# KiCad board Tartarus Liquid Rocketry Control System.kicad_pcb (continued)
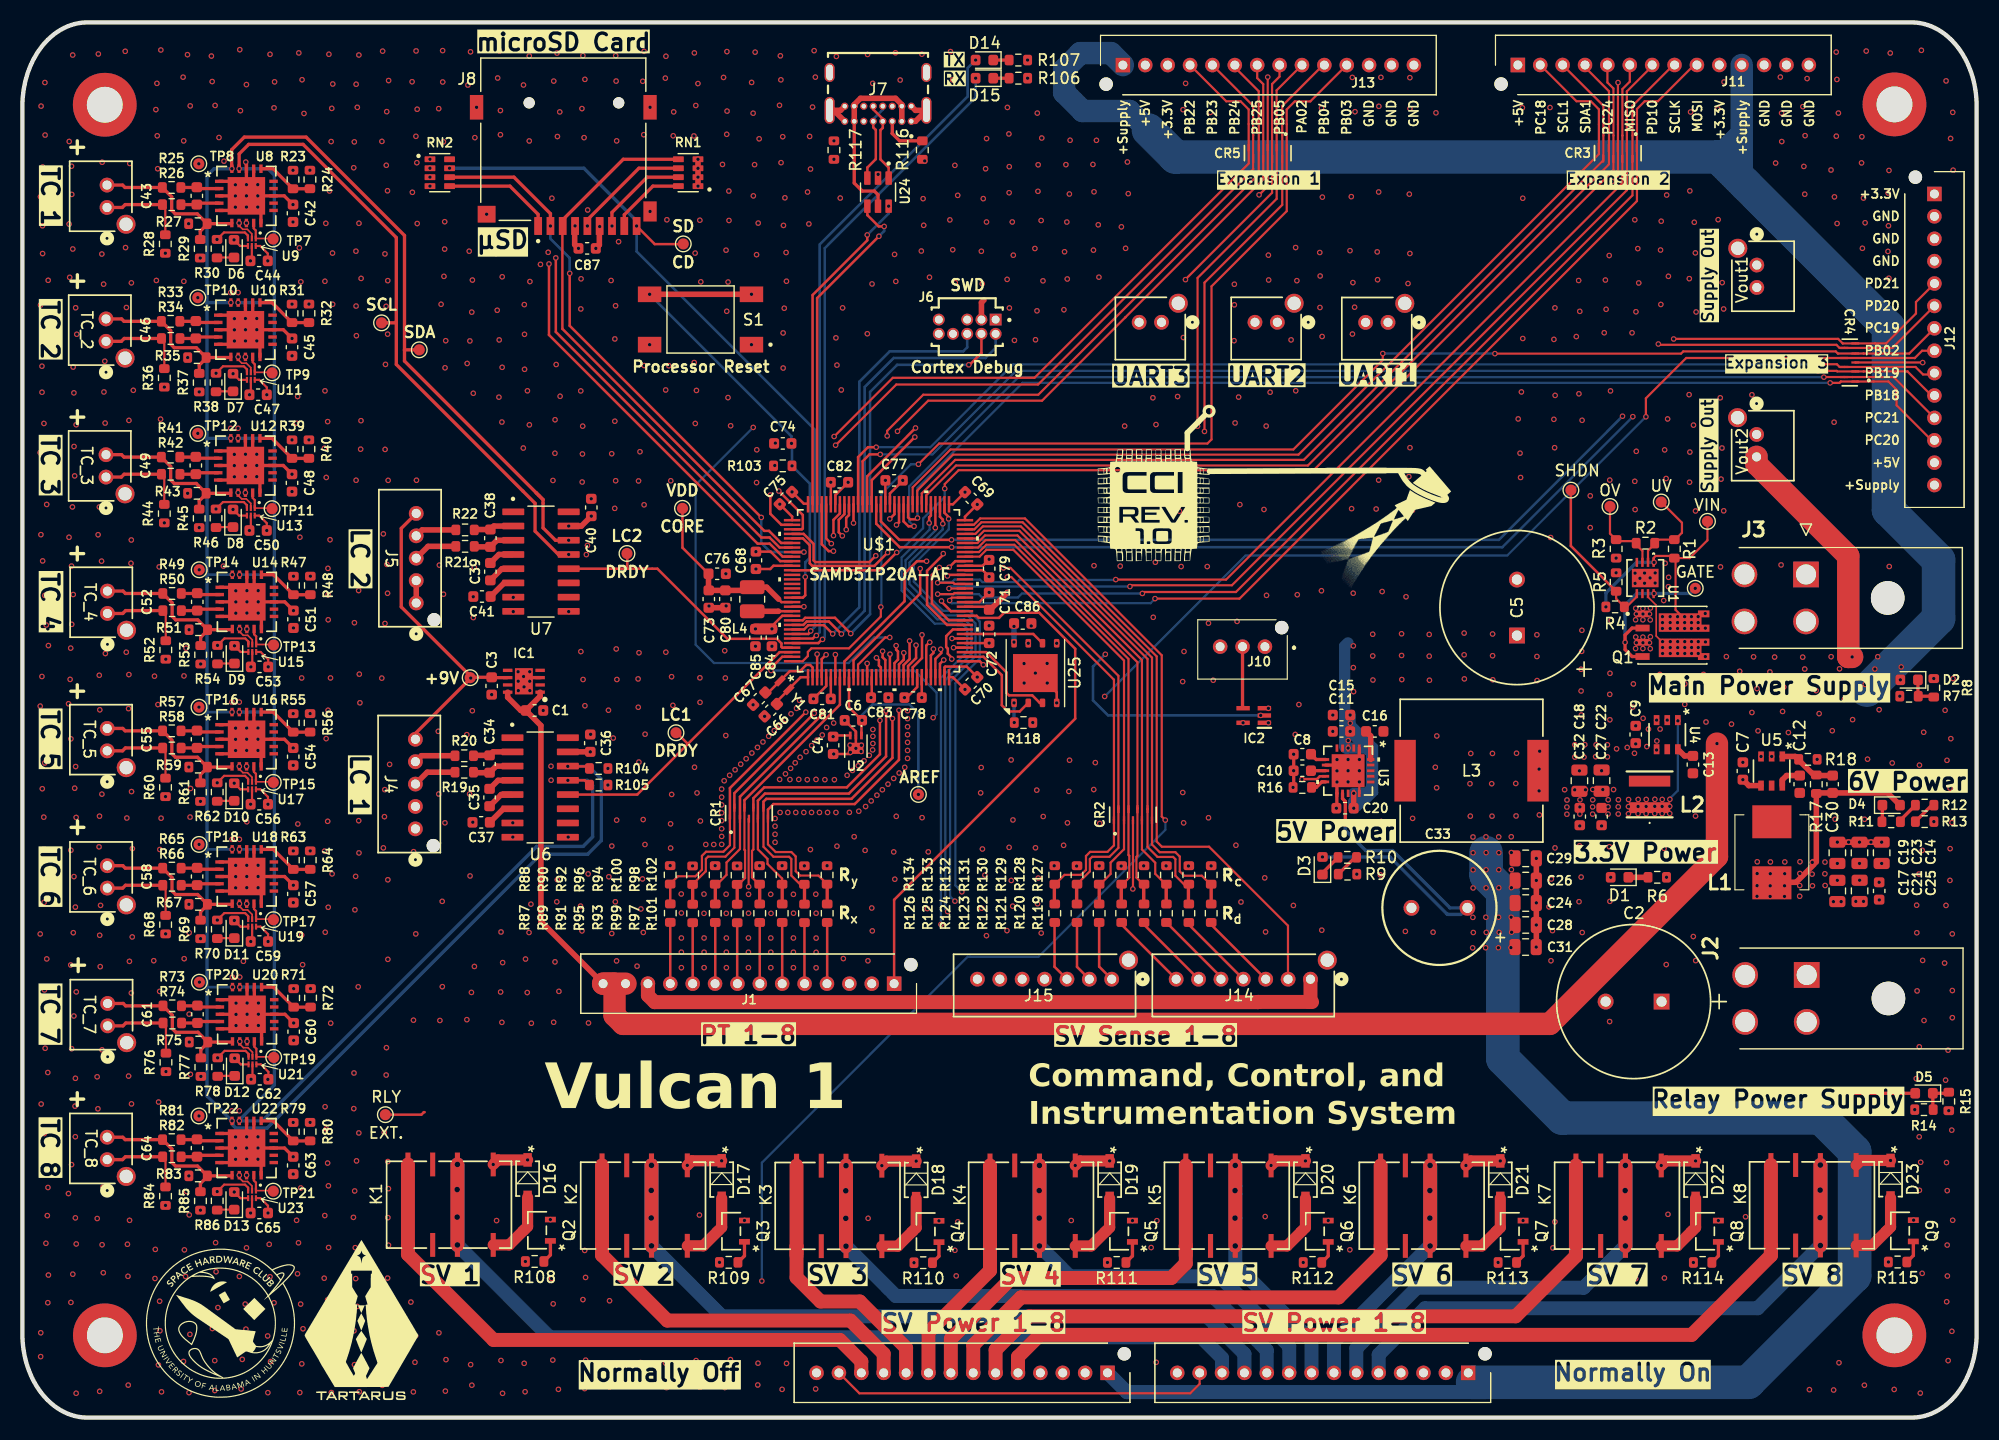
[diagram p0: board, top side]
## Library data of the parts
C1-C87 = -: Description: Unpolarized capacitor, small symbol; ki_fp_filters: C_*
CR1-CR5 = -: ki_fp_filters: uDFN-9_3p8x1p0_LTF
D1-D15 = -: Description: Light emitting diode; Sim.Pins: 1=K 2=A; ki_fp_filters: LED* LED_SMD:* LED_THT:*
D16-D23 = -: Description: Diode; Sim.Device: D; Sim.Pins: 1=K 2=A; ki_fp_filters: TO-???* *_Diode_* *SingleDiode* D_*
H1-H4 = -: Description: Mounting Hole without connection; ki_fp_filters: MountingHole*
IC1 = -: Datasheet: https://www.richtek.com/assets/product_file/RTQ2569-QA/DSQ2569-QA-02.pdf; Description: LDO Voltage Regulators 36V, 2A IQ, Peak 200mA, Low Dropout Voltage Linear Regulator; Height: 0.8; Mouser Part Number: 835-RTQ2569-90GQW-QA; Mouser Price/Stock: https://www.mouser.co.uk/ProductDetail/Richtek/RTQ2569-90GQW-QA?qs=amGC7iS6iy8%2FmxlEyuzLpA%3D%3D; Manufacturer_Name: RICHTEK
IC2 = -: Datasheet: http://www.ti.com/lit/gpn/sn74lv1t126; Description: Single Power Supply, Single BUFFER GATE w/ 3-State Output (active high enable); Description_1: Single Power Supply, Single BUFFER GATE w/ 3-State Output (active high enable); Height: 1.1; Mouser Part Number: 595-74LV1T126DCKRG4; Mouser Price/Stock: https://www.mouser.co.uk/ProductDetail/Texas-Instruments/SN74LV1T126DCKRG4?qs=qSfuJ%252Bfl%2Fd7XMpUR4BtXdA%3D%3D; Manufacturer_Name: Texas Instruments
J1 J11-J13 Relay_Normally_Closed1 Relay_Normally_Open1 = -: Datasheet: http://www.jst-mfg.com/product/pdf/eng/ePA-F.pdf; Description: JST Polyamide Series, 2mm Pitch 14 Way 1 Row Straight PCB Header, Solder Termination, 3A; Height: 7.7; Manufacturer_Name: JST (JAPAN SOLDERLESS TERMINALS); Manufacturer_Part_Number: B14B-PASK-1 (LF)(SN)
J2 J3 = -: ki_fp_filters: CONN2_2601-3102_WAG
J4 J5 = -: ki_fp_filters: CONN_B05B-PASK-1_JST
J6 = -: PARTREV: H; STANDARD: Manufacturer Recommendations; MANUFACTURER: Samtec
J7 = -: SNAPEDA_PN: USB4085-GF-A
J8 = -: MANUFACTURER: CUI Devices
J10 = -: Datasheet: http://www.jst-mfg.com/product/pdf/eng/ePA-F.pdf; Description: CONN HEADER PA 3POS TOP W/BOSS; Height: 7; Mouser Part Number: 306-B03BPASK1LFSN; Mouser Price/Stock: https://www.mouser.co.uk/ProductDetail/JST-Commercial/B03B-PASK-1LFSN?qs=QpmGXVUTftGMO7G00SnxEw%3D%3D; Manufacturer_Name: JST (JAPAN SOLDERLESS TERMINALS); Manufacturer_Part_Number: B03B-PASK-1(LF)(SN)
J14 J15 = -: ki_fp_filters: CONN_B07B-PASK-1_JST
K1-K8 = -: Datasheet: https://media.digikey.com/pdf/Data%20Sheets/Panasonic%20Electric%20Works%20PDFs/AGQ_(GQ)_Relays.pdf; Description: Low Signal Relays - PCB 2 Form C, 12VDC 30VDC SMD 12V; Height: 5.4; Mouser Part Number: 769-AGQ200A12Z; Mouser Price/Stock: https://www.mouser.co.uk/ProductDetail/Panasonic-Industrial-Devices/AGQ200A12Z?qs=UO%2Fx91QLkSBZmYPL%2F6hBBg%3D%3D; Manufacturer_Name: Panasonic; Manufacturer_Part_Number: AGQ200A12Z
L1-L4 = -: Description: Inductor; ki_fp_filters: Choke_* *Coil* Inductor_* L_*
Q1 = -: MF: Vishay; MAXIMUM_PACKAGE_HEIGHT: 1.12mm; Package: SO-8 Vishay; Price: None; Check_prices: https://www.snapeda.com/parts/SI7942DP-T1-E3/Vishay+Siliconix/view-part/?ref=eda; STANDARD: Manufacturer Recommendations; PARTREV: C; SnapEDA_Link: https://www.snapeda.com/parts/SI7942DP-T1-E3/Vishay+Siliconix/view-part/?ref=snap; MP: SI7942DP-T1-E3; Description_1: Mosfet Array 2 N-Channel (Dual) 100V 3.8A 1.4W Surface Mount PowerPAK® SO-8 Dual; Availability: In Stock; MANUFACTURER: Vishay
Q2-Q9 = -: Datasheet: https://www.diodes.com/assets/Datasheets/ds30896.pdf; Description: 0.38A Id, 60V Vds, N-Channel MOSFET, SOT-23; ki_fp_filters: SOT?23*
R1-R86 R103-R118 = -: Description: Resistor, small US symbol; ki_fp_filters: R_*
R87-R102 R119-R134 = -: Description: Resistor, US symbol; ki_fp_filters: R_*
RN1 RN2 = -: MANUFACTURER: Bourns
S1 = -: PARTREV: 1.0; MANUFACTURER: CUI Devices; STANDARD: Manufacturer Recommendations
TC_1-TC_8 UART1-UART3 Vout1 Vout2 = -: ki_fp_filters: CONN_B02B-PASK-1_JST
TP1-TP30 = -: Description: test point (alternative probe-style design); ki_fp_filters: Pin* Test*
U1 = -: ki_fp_filters: DD_8_ADI DD_8_ADI-M DD_8_ADI-L
U2 = -: PARTREV: Rev 0; STANDARD: Manufacturer Recommendations; MAXIMUM_PACKAGE_HEIGHT: 0.80 mm; MANUFACTURER: Analog Devices
U3 = -: ki_fp_filters: 21-100172B_T2044-4C_MXM 21-100172B_T2044-4C_MXM-M 21-100172B_T2044-4C_MXM-L
U4 = -: ki_fp_filters: AP63203WU-7_DIO AP63203WU-7_DIO-M AP63203WU-7_DIO-L
U6 U7 = -: PARTREV: 2.6; STANDARD: IPC-7.51B; MAXIMUM_PACKAGE_HEIGHT: 1.75mm; MANUFACTURER: Nuvoton
U8 U10 U12 U14 U16 U18 U20 U22 = -: ki_fp_filters: MQFN20_NU_MCH MQFN20_NU_MCH-M MQFN20_NU_MCH-L
U9 U11 U13 U15 U17 U19 U21 U23 = -: ki_fp_filters: DSF6
U24 = -: Description: 17V Clamp 5A (8/20µs) Ipp Tvs Diode Surface Mount SOT-23-6
U25 = -: Datasheet: https://www.gigadevice.com/datasheet/GD25Q64E/; Description: NOR Flash; Height: 1.75; Mouser Part Number: 363-GD25Q64ETIGR; Mouser Price/Stock: https://www.mouser.co.uk/ProductDetail/GigaDevice/GD25Q64ETIGR?qs=81r%252BiQLm7BT6a3m%252BkdvpDA%3D%3D; Manufacturer_Name: GigaDevice Semiconductor (HK) Limited
Y1 = -: Description: Two pin crystal; ki_fp_filters: Crystal*

## Footprints (pads in the part's own frame, mm; a bottom-side part is the same pattern mirrored in y, then rotated)
2N7002K_ONS
  rect 0.978x0.508 smd: 1(-1.187,0.953) 2(-1.187,-0.953) 3(1.187,0)
74438357047
  rect 0.98x3.7 smd: 1(-1.185,0) 2(1.185,0)
AP63203WU-7_DIO
  rect 0.902x0.508 smd: 1(-1.302,0.95) 2(-1.302,0) 3(-1.302,-0.95) 4(1.302,-0.95) 5(1.302,0) 6(1.302,0.95)
B03BPASK1LFSN
  round 1.2 hole 1.2 unplated: (3.15,1.95)
  round 1.3 hole 0.8: 1(1.65,0.25) 2(-0.35,0.25) 3(-2.35,0.25)
B14BPASK1LFSN
  round 1.2 hole 1.2 unplated: (1.5,1.7)
  rect 1.3x1.3 hole 0.8: 1(0,0)
  round 1.3 hole 0.8: 2(-2,0) 3(-4,0) 4(-6,0) 5(-8,0) 6(-10,0) 7(-12,0) 8(-14,0) 9(-16,0) 10(-18,0) 11(-20,0) 12(-22,0) 13(-24,0) 14(-26,0)
C_0603_1608Metric
  rrect 0.9x0.95 smd: 1(-0.775,0) 2(0.775,0)
C_0805_2012Metric
  rrect 1x1.45 smd: 1(-0.95,0) 2(0.95,0)
CAP_PY-13x20_KEM_A759PY687M1HAAE026
  rect 1.422x1.422 hole 0.914: 1(0,0)
  round 1.422 hole 0.914: 2(5,0)
CAY16_4702F4LF
  rrect 0.97x0.53 smd: 1(-0.875,1.2) 2(-0.875,0.4) 3(-0.875,-0.4) 4(-0.875,-1.2) 5(0.875,-1.2) 6(0.875,-0.4) 7(0.875,0.4) 8(0.875,1.2)
CONN_B02B-PASK-1_JST
  round 1.321 hole 0.813: 1(0,0) 2(-2,0)
  round 1.702 hole 1.194: 3(1.5,1.7)
CONN_B05B-PASK-1_JST
  round 1.194 hole 1.194 unplated: (1.5,1.6)
  round 1.321 hole 0.813: 1(0,0) 2(-2,0) 3(-4,0) 4(-6,0) 5(-8,0)
CONN_B07B-PASK-1_JST
  round 1.321 hole 0.813: 1(0,0) 2(-2,0) 3(-4,0) 4(-6,0) 5(-8,0) 6(-10,0) 7(-12,0)
  round 1.702 hole 1.194: 8(1.5,1.7)
CUI_MSD-4-A
  round 1 hole 1 unplated: (-4.95,-3.25) (3.05,-3.25)
  rect 0.7x1.6 smd: 1(2.25,7.75) 2(1.15,7.75) 3(0.05,7.75) 4(-1.05,7.75) 5(-2.15,7.75) 6(-3.25,7.75) 7(-4.35,7.75) 8(-5.45,7.75) CD(-6.55,7.75)
  rect 1.2x1.8 smd: G1(-7.75,6.45)
  rect 1.6x1.5 smd: G2(6.85,6.7)
  rect 1.2x2.2 smd: G3(-7.75,-2.85) G4(7.75,-2.85)
DD_8_ADI
  rect 0.813x0.229 smd: 1(-1.397,0.75) 2(-1.397,0.25) 3(-1.397,-0.25) 4(-1.397,-0.75) 5(1.397,-0.75) 6(1.397,-0.25) 7(1.397,0.25) 8(1.397,0.75)
  rect 1.651x2.388 smd: 9(0,0)
DSF6
  rect 0.53x0.2 smd: 1(-0.335,0.35) 2(-0.335,0) 3(-0.335,-0.35) 4(0.335,-0.35) 5(0.335,0) 6(0.335,0.35)
GCT_USB4085-GF-A_REVB
  round 0.65 hole 0.4: A1(-2.975,4.36) A4(-2.125,4.36) A5(-1.275,4.36) A6(-0.425,4.36) A7(0.425,4.36) A8(1.275,4.36) A9(2.125,4.36) A12(2.975,4.36) B1(2.975,3.01) B4(2.125,3.01) B5(1.275,3.01) B6(0.425,3.01) B7(-0.425,3.01) B8(-1.275,3.01) B9(-2.125,3.01) B12(-2.975,3.01)
  oval 0.9x1.7 hole 0.6x1.4: S1(-4.325,0) S2(4.325,0)
  oval 0.9x2.4 hole 0.6x2.1: S3(-4.325,3.38) S4(4.325,3.38)
IC_LT6660KCDC-3.3_TRMPBF
  rect 0.7x0.25 smd: 1(-0.95,0.5) 2(-0.95,0) 3(-0.95,-0.5)
  rect 1x1.35 smd: 4(0.2,0)
IND_CB_DRA127
  rect 1.918x5.512 smd: 1(-5.937,0) 2(5.937,0)
L_1008_2520Metric
  rrect 1.25x2.2 smd: 1(-1.075,0) 2(1.075,0)
LED_0603_1608Metric
  rrect 0.875x0.95 smd: 1(-0.787,0) 2(0.787,0)
MAX17634BATP
  rect 0.66x0.254 smd: 1(-2.019,1) 2(-2.019,0.5) 3(-2.019,0) 4(-2.019,-0.5) 5(-2.019,-1) 11(2.019,-1) 12(2.019,-0.5) 13(2.019,0) 14(2.019,0.5) 15(2.019,1)
  rect 0.254x0.66 smd: 6(-1,-2.019) 7(-0.5,-2.019) 8(0,-2.019) 9(0.5,-2.019) 10(1,-2.019) 16(1,2.019) 17(0.5,2.019) 18(0,2.019) 19(-0.5,2.019) 20(-1,2.019)
  rect 2.946x2.946 smd: 21(0,0)
MCP9601T_E_MX
  rect 0.762x0.305 smd: 1(-2.426,1.3) 2(-2.426,0.65) 3(-2.426,0) 4(-2.426,-0.65) 5(-2.426,-1.3) 11(2.426,-1.3) 12(2.426,-0.65) 13(2.426,0) 14(2.426,0.65) 15(2.426,1.3)
  rect 0.305x0.762 smd: 6(-1.3,-2.426) 7(-0.65,-2.426) 8(0,-2.426) 9(0.65,-2.426) 10(1.3,-2.426) 16(1.3,2.426) 17(0.65,2.426) 18(0,2.426) 19(-0.65,2.426) 20(-1.3,2.426)
  rect 3.353x3.353 smd: 21(0,0)
MMSD701T1G
  rect 1.219x0.762 smd: 1(-1.676,0) 2(1.676,0)
Molex_2x2_1724480004
  round 3 hole 3 unplated: (-2.1,-7.3)
  rect 2.3x2.3 hole 1.8: 1(0,0)
  round 2.3 hole 1.8: 2(-4.2,0) 3(0,5.5) 4(-4.2,5.5)
MountingHole_3.2mm_M3_ISO7380_Pad_TopBottom
  round 3.6 hole 3.2: 1(0,0)
  round 5.7 smd: 1(0,0)
  round 5.7 smd far side: 1(0,0)
NAU7802SGI
  rrect 1.97x0.6 smd: 1(-2.475,4.445) 2(-2.475,3.175) 3(-2.475,1.905) 4(-2.475,0.635) 5(-2.475,-0.635) 6(-2.475,-1.905) 7(-2.475,-3.175) 8(-2.475,-4.445) 9(2.475,-4.445) 10(2.475,-3.175) 11(2.475,-1.905) 12(2.475,-0.635) 13(2.475,0.635) 14(2.475,1.905) 15(2.475,3.175) 16(2.475,4.445)
R_0603_1608Metric
  rrect 0.8x0.95 smd: 1(-0.825,0) 2(0.825,0)
RELAY_AGQ_A_PAN_AGQ200A06
  rect 2.134x0.457 smd: 1(-3.594,3.95) 2(-3.594,0.749) 3(-3.594,-1.46) 4(-3.594,-3.67) 5(3.594,-3.67) 6(3.594,-1.46) 7(3.594,0.749) 8(3.594,3.95)
SAMD51P20A-AF
  rect 1.473x0.229 smd: 1(-7.722,6.299) 2(-7.722,5.893) 3(-7.722,5.486) 4(-7.722,5.08) 5(-7.722,4.674) 6(-7.722,4.267) 7(-7.722,3.861) 8(-7.722,3.454) 9(-7.722,3.048) 10(-7.722,2.642) 11(-7.722,2.235) 12(-7.722,1.829) 13(-7.722,1.422) 14(-7.722,1.016) 15(-7.722,0.61) 16(-7.722,0.203) 17(-7.722,-0.203) 18(-7.722,-0.61) 19(-7.722,-1.016) 20(-7.722,-1.422) 21(-7.722,-1.829) 22(-7.722,-2.235) 23(-7.722,-2.642) 24(-7.722,-3.048) 25(-7.722,-3.454) 26(-7.722,-3.861) 27(-7.722,-4.267) 28(-7.722,-4.674) 29(-7.722,-5.08) 30(-7.722,-5.486) 31(-7.722,-5.893) 32(-7.722,-6.299) 65(7.722,-6.299) 66(7.722,-5.893) 67(7.722,-5.486) 68(7.722,-5.08) 69(7.722,-4.674) 70(7.722,-4.267) 71(7.722,-3.861) 72(7.722,-3.454) 73(7.722,-3.048) 74(7.722,-2.642) 75(7.722,-2.235) 76(7.722,-1.829) 77(7.722,-1.422) 78(7.722,-1.016) 79(7.722,-0.61) 80(7.722,-0.203) 81(7.722,0.203) 82(7.722,0.61) 83(7.722,1.016) 84(7.722,1.422) 85(7.722,1.829) 86(7.722,2.235) 87(7.722,2.642) 88(7.722,3.048) 89(7.722,3.454) 90(7.722,3.861) 91(7.722,4.267) 92(7.722,4.674) 93(7.722,5.08) 94(7.722,5.486) 95(7.722,5.893) 96(7.722,6.299)
  rect 0.229x1.473 smd: 33(-6.299,-7.722) 34(-5.893,-7.722) 35(-5.486,-7.722) 36(-5.08,-7.722) 37(-4.674,-7.722) 38(-4.267,-7.722) 39(-3.861,-7.722) 40(-3.454,-7.722) 41(-3.048,-7.722) 42(-2.642,-7.722) 43(-2.235,-7.722) 44(-1.829,-7.722) 45(-1.422,-7.722) 46(-1.016,-7.722) 47(-0.61,-7.722) 48(-0.203,-7.722) 49(0.203,-7.722) 50(0.61,-7.722) 51(1.016,-7.722) 52(1.422,-7.722) 53(1.829,-7.722) 54(2.235,-7.722) 55(2.642,-7.722) 56(3.048,-7.722) 57(3.454,-7.722) 58(3.861,-7.722) 59(4.267,-7.722) 60(4.674,-7.722) 61(5.08,-7.722) 62(5.486,-7.722) 63(5.893,-7.722) 64(6.299,-7.722) 97(6.299,7.722) 98(5.893,7.722) 99(5.486,7.722) 100(5.08,7.722) 101(4.674,7.722) 102(4.267,7.722) 103(3.861,7.722) 104(3.454,7.722) 105(3.048,7.722) 106(2.642,7.722) 107(2.235,7.722) 108(1.829,7.722) 109(1.422,7.722) 110(1.016,7.722) 111(0.61,7.722) 112(0.203,7.722) 113(-0.203,7.722) 114(-0.61,7.722) 115(-1.016,7.722) 116(-1.422,7.722) 117(-1.829,7.722) 118(-2.235,7.722) 119(-2.642,7.722) 120(-3.048,7.722) 121(-3.454,7.722) 122(-3.861,7.722) 123(-4.267,7.722) 124(-4.674,7.722) 125(-5.08,7.722) 126(-5.486,7.722) 127(-5.893,7.722) 128(-6.299,7.722)
SAMTEC_FTSH-105-01-X-D-007-K
  rect 1.06x1.06 hole 0.71: 01(-2.54,-0.635)
  round 1.06 hole 0.71: 02(-2.54,0.635) 03(-1.27,-0.635) 04(-1.27,0.635) 05(0,-0.635) 06(0,0.635) 08(1.27,0.635) 09(2.54,-0.635) 10(2.54,0.635)
SON65P300X300X80-9N
  rect 0.85x0.3 smd: 1(-1.45,0.975) 2(-1.45,0.325) 3(-1.45,-0.325) 4(-1.45,-0.975) 5(1.45,-0.975) 6(1.45,-0.325) 7(1.45,0.325) 8(1.45,0.975)
  rect 1.6x2.35 smd: 9(0,0)
SOT65P210X110-5N
  rect 1.2x0.4 smd: 1(-0.95,0.65) 2(-0.95,0) 3(-0.95,-0.65) 4(0.95,-0.65) 5(0.95,0.65)
SRP7028A3R3M
  rect 2.95x3.5 smd: 1(-2.725,0) 2(2.725,0)
SW_TS04-66-50-BK-100-SMT
  rect 2.1x1.4 smd: 1(-4.55,2.25) 2(-4.55,-2.25) 3(4.55,2.25) 4(4.55,-2.25)
TestPoint_Pad_D1.0mm
  round 1 smd: 1(0,0)
TRANS_SI7942DP-T1-E3
  rect 1.27x0.61 smd: 1(-2.67,1.905) 2(-2.67,0.635) 3(-2.67,-0.635) 4(-2.67,-1.905)
  custom 4.53x1.915 smd: 5_6(1.27,-1.27) 7_8(1.27,1.27)
uDFN-9_3p8x1p0_LTF
  rect 0.711x0.203 smd: 1(-0.495,1.7) 2(-0.495,0.8) 3(-0.495,0) 4(-0.495,-0.8) 5(-0.495,-1.7) 6(0.495,-1.3) 7(0.495,-0.4) 8(0.495,0.4) 9(0.495,1.3)
USBLC_6
  rrect 1.21x0.59 smd: 1(-1.255,0.95) 2(-1.255,0) 3(-1.255,-0.95) 4(1.255,-0.95) 5(1.255,0) 6(1.255,0.95)
WCAP-PTHR_10X12.5_DXL_870055675009
  round 1.408 hole 0.9: 1(2.5,0) 2(-2.5,0)
WE-XTAL_IQXC-90
  rect 0.5x1 smd: 1(-0.55,0) 2(0.55,0)
WSON-8-1EP_6x5mm_P1.27mm_EP3.4x4mm
  rrect 1.37x1.61 smd: (-0.85,1) (-0.85,-1) (0.85,1) (0.85,-1)
  rrect 0.775x0.5 smd: 1(-2.663,1.905) 2(-2.663,0.635) 3(-2.663,-0.635) 4(-2.663,-1.905) 5(2.663,-1.905) 6(2.663,-0.635) 7(2.663,0.635) 8(2.663,1.905)
  rect 3.4x4 smd: 9(0,0)

## Nets
+3V3: C18.1 C22.1 C27.1 C32.1 C36.2 C40.2 C42.1 C44.2 C45.1 C47.2 C48.1 C50.2 C51.1 C53.2 C54.1 C56.2 C57.1 C59.2 C60.1 C62.2 C63.1 C65.2 C68.1 C69.1 C70.1 C71.1 C72.1 C75.1 C77.1 C78.2 C79.1 C81.1 C82.1 C83.1 C84.1 C85.1 C86.1 C87.1 D1.2 IC2.1 J6.01 J8.4 J11.10 J12.1 J13.3 L2.1 R24.2 R27.2 R32.2 R35.2 R40.2 R43.2 R48.2 R51.2 R56.2 R59.2 R64.2 R67.2 R72.2 R75.2 R80.2 R83.2 R103.1 R104.1 R105.1 R118.2 RN1.1 RN1.2 RN1.3 RN1.4 RN2.1 RN2.2 RN2.3 RN2.4 U4.1 U6.15 U7.15 U8.8 U9.6 U10.8 U11.6 U12.8 U13.6 U14.8 U15.6 U16.8 U17.6 U18.8 U19.6 U20.8 U21.6 U22.8 U23.6 U25.8 U$1.6 U$1.15 U$1.26 U$1.32 U$1.37 U$1.46 U$1.54 U$1.65 U$1.79 U$1.91 U$1.97 U$1.107 U$1.118
+5V: C24.1 C26.1 C28.1 C29.1 C31.1 C33.1 D3.2 IC2.5 J1.12 J10.1 J11.1 J12.13 J13.2 J14.1 L3.2 Relay_Normally_Closed1.1 Relay_Normally_Open1.1 U3.9 U3.12
+6V: C4.1 C14.1 C17.1 C19.1 C21.1 C23.1 C25.1 C30.1 D4.2 D16.1 D17.1 D18.1 D19.1 D20.1 D21.1 D22.1 D23.1 K1.1 K2.1 K3.1 K4.1 K5.1 K6.1 K7.1 K8.1 L1.1 R17.1 U2.3
+9V: C3.1 IC1.6 J4.5 J5.5 TP1.1
GND: C1.2 C2.2 C3.2 C4.2 C5.2 C6.2 C7.2 C8.2 C9.2 C10.2 C11.2 C14.2 C15.2 C17.2 C18.2 C19.2 C20.2 C21.2 C22.2 C23.2 C24.2 C25.2 C26.2 C27.2 C28.2 C29.2 C31.2 C32.2 C33.2 C36.1 C37.1 C40.1 C41.1 C42.2 C44.1 C45.2 C47.1 C48.2 C50.1 C51.2 C53.1 C54.2 C56.1 C57.2 C59.1 C60.2 C62.1 C63.2 C65.1 C66.1 C67.1 C68.2 C69.2 C70.2 C71.2 C72.2 C73.2 C74.2 C75.2 C76.2 C77.2 C78.1 C79.2 C80.2 C81.2 C82.2 C83.2 C84.2 C85.2 C86.2 C87.2 CR1.3 CR2.3 CR3.3 CR4.3 CR5.3 IC1.3 IC1.9 IC2.3 J1.2 J1.3 J2.1 J2.3 J3.1 J3.3 J4.1 J4.2 J5.1 J5.2 J6.03 J6.05 J7.A1 J7.A12 J7.B1 J7.B12 J7.S1 J7.S2 J7.S3 J7.S4 J8.6 J8.G1 J8.G2 J8.G3 J8.G4 J10.3 J11.12 J11.13 J11.14 J12.2 J12.3 J12.4 J13.12 J13.13 J13.14 J15.4 J15.5 J15.6 J15.7 Q2.2 Q3.2 Q4.2 Q5.2 Q6.2 Q7.2 Q8.2 Q9.2 R3.2 R5.2 R6.1 R7.2 R8.2 R10.1 R13.1 R14.2 R15.2 R16.1 R18.2 R23.1 R28.1 R29.1 R30.1 R31.1 R36.1 R37.1 R38.1 R39.1 R44.1 R45.1 R46.1 R47.1 R52.1 R53.1 R54.1 R55.1 R60.1 R61.1 R62.1 R63.1 R68.1 R69.1 R70.1 R71.1 R76.1 R77.1 R78.1 R79.1 R84.1 R85.1 R86.1 R88.2 R90.2 R92.2 R94.2 R96.2 R98.2 R100.2 R102.2 R106.1 R107.2 R116.1 R117.2 R127.2 R128.2 R129.2 R130.2 R131.2 R132.2 R133.2 R134.2 Relay_Normally_Closed1.2 Relay_Normally_Closed1.3 Relay_Normally_Closed1.4 Relay_Normally_Closed1.14 Relay_Normally_Open1.2 Relay_Normally_Open1.3 Relay_Normally_Open1.4 Relay_Normally_Open1.14 S1.1 S1.3 U1.4 U1.9 U2.2 U2.4 U3.1 U3.7 U3.11 U3.15 U3.21 U4.4 U5.4 U6.7 U6.8 U6.9 U7.7 U7.8 U7.9 U8.1 U8.3 U8.5 U8.10 U8.13 U8.17 U8.18 U8.21 U9.3 U9.5 U10.1 U10.3 U10.5 U10.10 U10.13 U10.17 U10.18 U10.21 U11.3 U11.5 U12.1 U12.3 U12.5 U12.10 U12.13 U12.17 U12.18 U12.21 U13.3 U13.5 U14.1 U14.3 U14.5 U14.10 U14.13 U14.17 U14.18 U14.21 U15.3 U15.5 U16.1 U16.3 U16.5 U16.10 U16.13 U16.17 U16.18 U16.21 U17.3 U17.5 U18.1 U18.3 U18.5 U18.10 U18.13 U18.17 U18.18 U18.21 U19.3 U19.5 U20.1 U20.3 U20.5 U20.10 U20.13 U20.17 U20.18 U20.21 U21.3 U21.5 U22.1 U22.3 U22.5 U22.10 U22.13 U22.17 U22.18 U22.21 U23.3 U23.5 U24.2 U25.4 U25.9 U$1.5 U$1.14 U$1.25 U$1.31 U$1.38 U$1.45 U$1.53 U$1.64 U$1.78 U$1.90 U$1.96 U$1.106 U$1.116 Vout1.1 Vout2.1
+Relay_External: C2.1 D5.2 J2.2 J2.4 K1.3 K1.6 K2.3 K2.6 K3.3 K3.6 K4.3 K4.6 K5.3 K5.6 K6.3 K6.6 K7.3 K7.6 K8.3 K8.6 TP3.1
+Supply: C1.1 C5.1 C7.1 C9.1 C11.1 C15.1 C20.1 D2.2 IC1.1 IC1.8 J1.13 J1.14 J11.11 J12.14 J13.1 Q1.5_6 U1.7 U3.2 U3.3 U3.4 U3.14 U4.2 U4.3 U5.2 U5.3 Vout1.2 Vout2.2
/Microcontroller Page 1 (PA_PB)/A09_PT_5_PB06: CR1.7 R93.2 R94.1 U$1.17
/Microcontroller Page 1 (PA_PB)/A10_PT_6_PB07: CR1.4 R99.2 R100.1 U$1.18
/Microcontroller Page 1 (PA_PB)/A11_PT_7_PB08: CR1.6 R97.2 R98.1 U$1.19
/Microcontroller Page 1 (PA_PB)/A12_PT_8_PB09: CR1.5 R101.2 R102.1 U$1.20
/Microcontroller Page 1 (PA_PB)/D30_RLY_8: R115.2 U$1.88
/Microcontroller Page 1 (PA_PB)/D31_RLY_7: R114.2 U$1.89
/Microcontroller Page 1 (PA_PB)/D32_RLY_6: R113.2 U$1.92
/Microcontroller Page 1 (PA_PB)/D33_RLY_5: R112.2 U$1.93
/Microcontroller Page 1 (PA_PB)/D34_RLY_4: R111.2 U$1.66
/Microcontroller Page 1 (PA_PB)/D35_RLY_3: R110.2 U$1.67
/Microcontroller Page 1 (PA_PB)/D36_RLY_2: R109.2 U$1.68
/Microcontroller Page 1 (PA_PB)/D37_RLY_1: R108.2 U$1.69
/Microcontroller Page 1 (PA_PB)/D46_TC_7_FLT_DET_PC06: D12.2 U21.4 U$1.22
/Microcontroller Page 1 (PA_PB)/D47_TC_8_FLT_DET_PC07: D13.2 U23.4 U$1.21
/Microcontroller Page 1 (PA_PB)/D48_TC_5_FLT_DET_PC04: D10.2 U17.4 U$1.24
/Microcontroller Page 1 (PA_PB)/D49_TC_6_FLT_DET_PC05: D11.2 U19.4 U$1.23
/Microcontroller Page 1 (PA_PB)/USB Connector/USB_D+: U24.6 U$1.95
/Microcontroller Page 1 (PA_PB)/USB Connector/USB_D-: U24.4 U$1.94
/Microcontroller Page 2 (PC_PD)/A1_TC_2_FLT_DET_PA05: D7.2 U11.4 U$1.29
/Microcontroller Page 2 (PC_PD)/A13_TC_1_FLT_DET_PA04: D6.2 U9.4 U$1.30
/Microcontroller Page 2 (PC_PD)/A14_TC_3_FLT_DET_PA06: D8.2 U13.4 U$1.28
/Microcontroller Page 2 (PC_PD)/A15_TC_4_FLT_DET_PA07: D9.2 U15.4 U$1.27
/PT Input 1/PT_Signal_in: J1.11 R87.1
/PT Input 2/PT_Signal_in: J1.10 R89.1
/PT Input 3/PT_Signal_in: J1.9 R91.1
/PT Input 4/PT_Signal_in: J1.8 R95.1
/PT Input 5/PT_Signal_in: J1.7 R93.1
/PT Input 6/PT_Signal_in: J1.6 R99.1
/PT Input 7/PT_Signal_in: J1.5 R97.1
/PT Input 8/PT_Signal_in: J1.4 R101.1
/Relay_1/Relay_NC: K1.2 K1.7 Relay_Normally_Closed1.12
/Relay_1/Relay_NO: K1.4 K1.5 Relay_Normally_Open1.12
/Relay_2/Relay_NC: K2.2 K2.7 Relay_Normally_Closed1.11
/Relay_2/Relay_NO: K2.4 K2.5 Relay_Normally_Open1.11
/Relay_3/Relay_NC: K3.2 K3.7 Relay_Normally_Closed1.10
/Relay_3/Relay_NO: K3.4 K3.5 Relay_Normally_Open1.10
/Relay_4/Relay_NC: K4.2 K4.7 Relay_Normally_Closed1.9
/Relay_4/Relay_NO: K4.4 K4.5 Relay_Normally_Open1.9
/Relay_5/Relay_NC: K5.2 K5.7 Relay_Normally_Closed1.8
/Relay_5/Relay_NO: K5.4 K5.5 Relay_Normally_Open1.8
/Relay_6/Relay_NC: K6.2 K6.7 Relay_Normally_Closed1.7
/Relay_6/Relay_NO: K6.4 K6.5 Relay_Normally_Open1.7
/Relay_7/Relay_NC: K7.2 K7.7 Relay_Normally_Closed1.6
/Relay_7/Relay_NO: K7.4 K7.5 Relay_Normally_Open1.6
/Relay_8/Relay_NC: K8.2 K8.7 Relay_Normally_Closed1.5
/Relay_8/Relay_NO: K8.4 K8.5 Relay_Normally_Open1.5
A0_PA02: CR5.2 J13.9 U$1.9
A2_PB03: CR5.1 J13.11 U$1.128
A03_PT_1_PC00: CR1.1 R87.2 R88.1 U$1.3
A04_PT_2_PC01: CR1.9 R89.2 R90.1 U$1.4
A05_PT_3_PC02: CR1.2 R91.2 R92.1 U$1.7
A06_PT_4_PC03: CR1.8 R95.2 R96.1 U$1.8
A7_PB04: CR5.9 J13.10 U$1.11
A8_PB05: CR5.8 J13.8 U$1.12
AREF: C6.1 TP2.1 U2.1 U$1.10
D0_PB25: CR5.7 J13.7 U$1.101
D1_PB24: CR5.4 J13.6 U$1.100
D2_PC18: CR3.5 J11.2 U$1.72
D3_PC19: CR4.4 J12.7 U$1.73
D4_PC20: CR4.1 J12.12 U$1.74
D5_PC21: CR4.9 J12.11 U$1.75
D6_PD20: CR4.6 J12.6 U$1.80
D7_PD21: CR4.5 J12.5 U$1.81
D8_PB18: CR4.2 J12.10 U$1.84
D9_PB02: CR4.7 J12.8 U$1.127
D10_PB22: CR5.5 J13.4 U$1.98
D11_PB23: CR5.6 J13.5 U$1.99
D12_LC_1_DRDY_PB01: TP23.1 U6.12 U$1.126
D13_LC_2_DRDY__PB00: TP24.1 U7.12 U$1.125
D23_RLY_LEDS_CTRL_PA15: Relay_Normally_Closed1.13 Relay_Normally_Open1.13 U$1.63
D27_SV6_SENSE_PA13: CR2.2 R124.2 R132.1 U$1.56
D28_SV_LEDS_CTRL_PA14: J14.2 U$1.62
D29_PB19: CR4.8 J12.9 U$1.85
D36_SV8_SENSE_PA12: CR2.1 R126.2 R134.1 U$1.52
D38_PB15_EXT_LEDS_CTRL: IC2.2 U$1.44
D39_PT_LEDS_CTRL_PB14: J1.1 U$1.43
D40_SV2_SENSE_PC13: CR2.6 R120.2 R128.1 U$1.60
D41_SV4_SENSE_PC12: CR2.7 R122.2 R130.1 U$1.58
D42_SV3_SENSE_PC15: CR2.4 R121.2 R129.1 U$1.59
D43_SV1_SENSE_PC14: CR2.5 R119.2 R127.1 U$1.61
D44_SV5_SENSE_PC11: CR2.8 R123.2 R131.1 U$1.57
D45_SV7_SENSE_PC10: CR2.9 R125.2 R133.1 U$1.55
D88_PC24: CR3.7 J11.5 U$1.108
FLASH_CS: R118.1 U25.1 U$1.40
FLASH_IO0: U25.5 U$1.33
FLASH_IO1: U25.2 U$1.34
FLASH_IO2: U25.3 U$1.35
FLASH_IO3: U25.7 U$1.36
FLASH_SCK: U25.6 U$1.39
MISO: CR3.8 J11.6 U$1.50
MOSI: CR3.1 J11.9 U$1.47
RXLED: D14.2 U$1.124
SCK: CR3.9 J11.8 U$1.48
SCL_1: CR3.6 J11.3 U$1.71
SCL_PB21: R105.2 TP5.1 U6.13 U7.13 U8.19 U10.19 U12.19 U14.19 U16.19 U18.19 U20.19 U22.19 U$1.87
SD_CD: J8.CD RN2.7 TP25.1 U$1.122
SD_CS: J8.2 RN2.6 U$1.104
SD_MISO: J8.7 RN1.7 U$1.105
SD_MOSI: J8.3 RN1.5 U$1.102
SD_SCK: J8.5 RN1.6 U$1.103
SDA_1: CR3.4 J11.4 U$1.70
SDA_PB20: R104.2 TP6.1 U6.14 U7.14 U8.20 U10.20 U12.20 U14.20 U16.20 U18.20 U20.20 U22.20 U$1.86
SS: CR3.2 J11.7 U$1.49
SWCLK: J6.04 U$1.119
SWDIO: J6.02 U$1.120
SWO: J6.06 U$1.121
TXLED: D15.2 U$1.123
UART1_RX: U$1.42 UART1.1
UART1_TX: U$1.41 UART1.2
UART2_RX: U$1.77 UART2.2
UART2_TX: U$1.76 UART2.1
UART3_RX: U$1.83 UART3.2
UART3_TX: U$1.82 UART3.1
USB_VBUS: J7.A4 J7.A9 J7.B4 J7.B9 U24.5
~{RESET}: C74.1 J6.10 R103.2 S1.2 S1.4 U$1.114
Net-(C16-Pad1): C16.1 L3.1 U3.17 U3.18 U3.19
Net-(D1-K): D1.1 R6.2
Net-(D2-K): D2.1 R7.1 R8.1
Net-(D3-K): D3.1 R9.2
Net-(D4-K): D4.1 R11.2
Net-(D5-K): D5.1 R14.1 R15.1
Net-(D6-K): D6.1 R30.2
Net-(D7-K): D7.1 R38.2
Net-(D8-K): D8.1 R46.2
Net-(D9-K): D9.1 R54.2
Net-(D10-K): D10.1 R62.2
Net-(D11-K): D11.1 R70.2
Net-(D12-K): D12.1 R78.2
Net-(D13-K): D13.1 R86.2
Net-(D14-K): D14.1 R106.2
Net-(D15-K): D15.1 R107.1
Net-(D16-A): D16.2 K1.8 Q2.3
Net-(D17-A): D17.2 K2.8 Q3.3
Net-(D18-A): D18.2 K3.8 Q4.3
Net-(D19-A): D19.2 K4.8 Q5.3
Net-(D20-A): D20.2 K5.8 Q6.3
Net-(D21-A): D21.2 K6.8 Q7.3
Net-(D22-A): D22.2 K7.8 Q8.3
Net-(D23-A): D23.2 K8.8 Q9.3
Net-(IC2-Y): IC2.4 J10.2
Net-(J3-1_2): J3.2 J3.4 Q1.7_8 R1.1 R4.1 TP28.1 U1.1
Net-(J4-Pad3): J4.3 R19.1
Net-(J4-Pad4): J4.4 R20.1
Net-(J5-Pad3): J5.3 R21.1
Net-(J5-Pad4): J5.4 R22.1
Net-(J7-CC1): J7.A5 R116.2
Net-(J7-CC2): J7.B5 R117.1
Net-(J7-DN1): J7.A7 J7.B7 U24.3
Net-(J7-DP1): J7.A6 J7.B6 U24.1
Net-(J8-DAT1): J8.8 RN1.8
Net-(J8-DAT2): J8.1 RN2.5
Net-(J14-Pad3): J14.3 R119.1
Net-(J14-Pad4): J14.4 R120.1
Net-(J14-Pad5): J14.5 R121.1
Net-(J14-Pad6): J14.6 R122.1
Net-(J14-Pad7): J14.7 R123.1
Net-(J15-Pad1): J15.1 R124.1
Net-(J15-Pad2): J15.2 R125.1
Net-(J15-Pad3): J15.3 R126.1
Net-(Q1-Pad1): Q1.1 Q1.3
Net-(Q2-G): Q2.1 R108.1
Net-(Q3-G): Q3.1 R109.1
Net-(Q4-G): Q4.1 R110.1
Net-(Q5-G): Q5.1 R111.1
Net-(Q6-G): Q6.1 R112.1
Net-(Q7-G): Q7.1 R113.1
Net-(Q8-G): Q8.1 R114.1
Net-(Q9-G): Q9.1 R115.1
Net-(R10-Pad2): R9.1 R10.2
Net-(R11-Pad1): R11.1 R12.2
Net-(R12-Pad1): R12.1 R13.2
Net-(R26-Pad2): R26.2 R28.2 TC_1.1
Net-(R34-Pad2): R34.2 R36.2 TC_2.1
Net-(R42-Pad2): R42.2 R44.2 TC_3.1
Net-(R50-Pad2): R50.2 R52.2 TC_4.1
Net-(R58-Pad2): R58.2 R60.2 TC_5.1
Net-(R66-Pad2): R66.2 R68.2 TC_6.1
Net-(R74-Pad2): R74.2 R76.2 TC_7.1
Net-(R82-Pad2): R82.2 R84.2 TC_8.1
Net-(U1-GATE): Q1.2 Q1.4 TP30.1 U1.8
Net-(U1-OV): R2.2 R3.1 TP27.1 U1.3
Net-(U1-SHDN): R4.2 R5.1 TP29.1 U1.5
Net-(U1-UV): R1.2 R2.1 TP4.1 U1.2
Net-(U3-BST): C16.2 U3.20
Net-(U3-INTVCC): C8.1 U3.6
Net-(U3-RT): R16.2 U3.10
Net-(U3-SS): C10.1 U3.8
Net-(U4-BST): C13.1 U4.6
Net-(U4-SW): C13.2 L2.2 U4.5
Net-(U5-BST): C12.1 U5.6
Net-(U5-FB): C30.2 R17.2 R18.1 U5.1
Net-(U5-SW): C12.2 L1.2 U5.5
Net-(U6-VBG): C37.2 U6.6
Net-(U6-VIN1N): C34.1 R20.2 U6.2
Net-(U6-VIN1P): C34.2 R19.2 U6.3
Net-(U6-VIN2N): C35.1 U6.4
Net-(U6-VIN2P): C35.2 U6.5
Net-(U7-VBG): C41.2 U7.6
Net-(U7-VIN1N): C38.1 R22.2 U7.2
Net-(U7-VIN1P): C38.2 R21.2 U7.3
Net-(U7-VIN2N): C39.1 U7.4
Net-(U7-VIN2P): C39.2 U7.5
Net-(U8-ADDR): R23.2 R24.1 U8.16
Net-(U8-OCALERT): TP7.1 U8.9 U9.1
Net-(U8-SCALERT): TP8.1 U8.7 U9.2
Net-(U8-VIN+): C43.1 R25.1 U8.2
Net-(U8-VIN-): C43.2 R26.1 U8.4
Net-(U8-VSENSE): R25.2 R27.1 R29.2 TC_1.2 U8.6
Net-(U10-ADDR): R31.2 R32.1 U10.16
Net-(U10-OCALERT): TP9.1 U10.9 U11.1
Net-(U10-SCALERT): TP10.1 U10.7 U11.2
Net-(U10-VIN+): C46.1 R33.1 U10.2
Net-(U10-VIN-): C46.2 R34.1 U10.4
Net-(U10-VSENSE): R33.2 R35.1 R37.2 TC_2.2 U10.6
Net-(U12-ADDR): R39.2 R40.1 U12.16
Net-(U12-OCALERT): TP11.1 U12.9 U13.1
Net-(U12-SCALERT): TP12.1 U12.7 U13.2
Net-(U12-VIN+): C49.1 R41.1 U12.2
Net-(U12-VIN-): C49.2 R42.1 U12.4
Net-(U12-VSENSE): R41.2 R43.1 R45.2 TC_3.2 U12.6
Net-(U14-ADDR): R47.2 R48.1 U14.16
Net-(U14-OCALERT): TP13.1 U14.9 U15.1
Net-(U14-SCALERT): TP14.1 U14.7 U15.2
Net-(U14-VIN+): C52.1 R49.1 U14.2
Net-(U14-VIN-): C52.2 R50.1 U14.4
Net-(U14-VSENSE): R49.2 R51.1 R53.2 TC_4.2 U14.6
Net-(U16-ADDR): R55.2 R56.1 U16.16
Net-(U16-OCALERT): TP15.1 U16.9 U17.1
Net-(U16-SCALERT): TP16.1 U16.7 U17.2
Net-(U16-VIN+): C55.1 R57.1 U16.2
Net-(U16-VIN-): C55.2 R58.1 U16.4
Net-(U16-VSENSE): R57.2 R59.1 R61.2 TC_5.2 U16.6
Net-(U18-ADDR): R63.2 R64.1 U18.16
Net-(U18-OCALERT): TP17.1 U18.9 U19.1
Net-(U18-SCALERT): TP18.1 U18.7 U19.2
Net-(U18-VIN+): C58.1 R65.1 U18.2
Net-(U18-VIN-): C58.2 R66.1 U18.4
Net-(U18-VSENSE): R65.2 R67.1 R69.2 TC_6.2 U18.6
Net-(U20-ADDR): R71.2 R72.1 U20.16
Net-(U20-OCALERT): TP19.1 U20.9 U21.1
Net-(U20-SCALERT): TP20.1 U20.7 U21.2
Net-(U20-VIN+): C61.1 R73.1 U20.2
Net-(U20-VIN-): C61.2 R74.1 U20.4
Net-(U20-VSENSE): R73.2 R75.1 R77.2 TC_7.2 U20.6
Net-(U22-ADDR): R79.2 R80.1 U22.16
Net-(U22-OCALERT): TP21.1 U22.9 U23.1
Net-(U22-SCALERT): TP22.1 U22.7 U23.2
Net-(U22-VIN+): C64.1 R81.1 U22.2
Net-(U22-VIN-): C64.2 R82.1 U22.4
Net-(U22-VSENSE): R81.2 R83.1 R85.2 TC_8.2 U22.6
Net-(U$1A-PA00/I0/SERCOM1.0/TC2.0): C66.2 U$1.1 Y1.2
Net-(U$1A-PA01/I1/SERCOM1.1/TC2.1): C67.2 U$1.2 Y1.1
Net-(U$1E-VDDCORE): C73.1 C76.1 C80.1 L4.1 TP26.1 U$1.115
Net-(U$1E-VSW): L4.2 U$1.117

Pads without a net: H1 1; H2 1; H3 1; H4 1; IC1 2 4 5 7; J6 08 09; J7 A8 B8; J14 8; J15 8; RN2 8; TC_1 3; TC_2 3; TC_3 3; TC_4 3; TC_5 3; TC_6 3; TC_7 3; TC_8 3; U1 6; U3 5 13 16; U6 1 10 11 16; U7 1 10 11 16; U8 11 12 14 15; U10 11 12 14 15; U12 11 12 14 15; U14 11 12 14 15; U16 11 12 14 15; U18 11 12 14 15; U20 11 12 14 15; U22 11 12 14 15; U$1 13 16 51 109 110 111 112 113; UART1 3; UART2 3; UART3 3; Vout1 3; Vout2 3

## Via types
v1: diameter 0.5, hole 0.3, Top to Bottom, 1957 vias
v2: diameter 0.9, hole 0.5, Top to Bottom, 32 vias

## Routing (per net, layer and track width the routed paths; a pad name or vN(x,y) marks a point on that pad's centre or on a via; arc(x,y) is an arc through that point)
+3V3: length 63.2
  Top w0.2: U23.6 21.27,19.6 21.94,18.93 v1(21.94,18.27) ; v1(21.95,42.52) 21.95,43.18 21.28,43.85 U19.6 ; U17.6 21.27,56.11 21.94,55.44 v1(21.94,54.78) ; U15.6 21.29,68.38 21.97,67.71 v1(21.97,67.05) ; U9.6 21.25,104.64 21.93,103.97 v1(21.93,103.31) ; v1(21.84,79.23) 21.84,79.89 21.16,80.56 U13.6 ; v1(21.84,91.36) 21.84,92.01 21.16,92.69 U11.6 ; v1(21.93,30.21) 21.93,30.37 21.98,30.42 21.98,30.87 21.31,31.55 U21.6
  Top w0.23: U$1.32 83.13,66.13 v1(84.22,65.04) ; v1(67.67,81.58) 68.78,80.48 U$1.97 ; v1(65.54,75.79) 66.82,75.79 67.11,76.08 U$1.107 ; v1(75.83,64.31) 75.89,64.37 U$1.15 ; U$1.91 72.23,83.26 v1(72.23,83.54) ; v1(84.22,82.65) 83.14,81.57 U$1.65 ; U$1.46 85.51,72.83 v1(86.38,73.7) ; v1(86.38,76.66) 85.8,76.08 U$1.54 ; U$1.26 80.36,64.31 v1(80.36,64.31) ; v1(66.97,70.44) 66.97,70.68 67.9,71.61 U$1.118 ; U$1.6 v1(72.23,64.2) ; U$1.37 86.38,69.17 v1(86.38,69.18) ; 77.11,83.42 77.11,83.41 U$1.79
  Top w0.5: U6.15 50.74,59.46 v1(50.74,59.46) ; v1(60.37,109.99) v1(60.37,110.79) v1(60.37,111.58) v1(60.37,112.39) ; 48.82,79.63 v1(48.81,79.63) 49.95,79.63 v1(50.83,80.51) ; v1(49.69,104.43) 49.35,104.76 49.35,106.4 J8.4
  Top w1: v1(65.5,70.44) v1(66.97,70.44)
  Bottom w0.2: 147.2,55.29 147.92,56 U4.1
  Bottom w0.5: v1(88.6,70.67) v1(88.6,69.27)
  vias: v1(14.77,94.68) v1(14.77,82.55) v1(14.86,106.63) v1(14.9,70.37) v1(14.87,58.1) v1(14.88,45.84) v1(14.91,33.54) v1(14.87,21.59) v1(19.93,94.74) v1(19.93,82.61) v1(20.02,106.69) v1(20.06,70.43) v1(20.03,58.16) v1(20.04,45.9) v1(20.07,33.6) v1(20.03,21.65) v1(24.09,99.45) v1(24.09,94.83) v1(24.09,87.32) v1(24.09,82.71) v1(24.18,111.4) v1(24.18,106.79) v1(24.22,75.14) v1(24.22,70.53) v1(24.2,62.87) v1(24.2,58.26) v1(24.21,50.61) v1(24.21,46) v1(24.2,26.36) v1(24.2,21.75) v1(24.24,38.31) v1(24.24,33.69) v1(36.42,112.39) v1(36.42,111.59) v1(36.42,110.79) v1(36.42,109.99) v1(49.38,106.44) v1(52.32,57.98) v1(52.32,56.5) v1(67.23,85.04) v1(77.11,83.71) v1(90.28,62.08) v1(111.33,62.06) v1(137.8,56.08) v1(138.01,55.16) v1(138,54.53) v1(138,53.89) v1(138.7,56.07) v1(139.17,55.17) v1(139.16,54.54) v1(139.16,53.9) v1(139.66,56.07) v1(140.31,56.1) v1(140.31,55.17) v1(140.3,54.54) v1(140.3,53.9) v1(141.21,56.09) v1(141.69,55.18) v1(141.68,54.55) v1(141.68,53.91) v1(141.92,48.26) v1(142.17,56.09) v1(142.6,55.18) v1(142.59,54.55) v1(142.59,53.91) v1(143.51,55.2) v1(143.5,54.57) v1(143.5,53.93) v1(144.37,55.21) v1(144.36,54.58) v1(144.36,53.94) v1(145.09,55.21) v1(145.08,54.58) v1(145.08,53.94) v1(145.86,55.22) v1(145.85,54.59) v1(145.85,53.95) v1(146.52,55.21) v1(146.51,54.58) v1(146.51,53.94) v1(147.2,55.22) v1(147.19,54.59) v1(147.19,53.95) v1(147.92,62.23)
+5V: length 586
  Top w0.23: U3.9 115.92,57.28 115.67,57.03 114.36,57.03 v1(114.33,57)
  Top w0.3: v1(118.2,53) 118.2,55.04 117.95,55.28 U3.12
  Top w1.25: J1.12 55.89,37.71 56.49,37.11 110.4,37.11 110.42,37.13 114.96,37.13 115.09,37.26 ; 115.23,37.12 115.09,37.26 ; 115.09,37.26 J14.1
  In3.Cu w0.23: v1(114.33,57) 116.38,54.94 126.52,54.94 v1(129.61,51.86) 133.01,51.86 v1(133.03,51.88)
  In3.Cu w0.3: v1(130.78,48.93) 129.63,48.93 v1(129.62,48.92) 126.67,51.87 116.5,51.87 109.07,59.3 v1(109.07,62.06)
  In3.Cu w1.5: J12.13 167.95,85.29
  In3.Cu w2: 131.56,53.72 131.35,53.93 v1(131.35,59.32) ; 131.56,53.72 v1(129.37,53.72) 129.41,53.76 v1(129.41,59.32) ; 131.56,53.72 134.64,53.72 ; 134.64,53.72 134.64,56.2 134.22,56.62 ; 134.64,53.72 135.43,53.72 v1(135.54,53.83) ; v1(135.57,59.52) 135.37,59.32 v1(129.41,59.32) ; v1(135.57,59.52) 135.57,57.97 v1(135.52,57.92) 134.22,56.62 ; v1(135.57,59.52) 135.52,59.47 v1(135.52,55.98) 135.54,55.96 v1(135.54,53.83) ; v1(135.57,59.52) 137.32,61.27 137.32,73.67 141.82,78.17 152.88,78.17 160,85.29 167.95,85.29 ; 134.22,56.62 135.54,55.3 v1(135.54,53.83) ; 134.22,56.62 131.32,53.72 v1(131.31,53.72) ; 134.22,56.62 131.52,59.32 v1(129.41,59.32) ; 134.22,56.62 v1(129.34,56.62) ; 127.19,105.32 127.19,71.21 127.31,71.09 ; 127.19,105.32 125.46,107.05 ; 127.19,105.32 127.71,104.8 ; 133.42,121.01 J11.1 131.65,122.78 129.34,122.78 128.13,121.57 128.13,119.34 129.89,117.58 129.89,109.65 ; 129.49,107.05 127.36,107.05 ; 129.49,107.05 129.89,107.45 129.89,104.8 ; 129.49,107.05 129.49,105.96 128.74,105.21 127.36,106.59 127.36,107.05 ; 127.36,107.05 125.46,107.05 ; 127.36,107.05 127.36,107.12 129.89,109.65 ; 125.46,107.05 127.71,104.8 ; 125.46,107.05 103.24,107.05 100.33,109.96 J13.2 ; 129.89,109.65 129.89,104.8 ; 129.89,70.98 129.89,104.8 ; v1(133.5,59.34) 133.5,53.78 v1(133.46,53.74) ; 128.66,71.69 128.62,71.73 128.62,103.3 127.71,104.21 127.71,104.8
  Bottom w0.3: v1(118.2,53) 118.2,52.47 120.02,50.65 122.43,50.65 127.55,45.53 C33.1 128.53,44.95 127.32,44.95 122.19,50.07 v1(116.16,50.07)
  Bottom w1.25: 129.58,3.16 131.58,3.16 130.7,2.28 98.68,2.28 Relay_Normally_Open1.1
  Bottom w3: v1(130.78,50.46) 130.78,48.47 132.28,46.97 132.28,32.06 137.58,26.76 160.72,26.76 163.71,23.77 163.71,12.66 154.21,3.16 129.58,3.16
  vias: v1(129.62,50.45) v1(129.62,47.31) v1(129.6,44.68) v1(129.58,41.96) v1(129.64,43.33) v1(130.77,51.87) v1(130.78,47.32) v1(130.76,44.69) v1(130.8,43.34) v1(130.74,41.97) v1(131.28,56.62) v1(131.91,51.87) v1(131.92,50.46) v1(131.92,48.93) v1(131.92,47.32) v1(131.9,44.69) v1(131.88,41.97) v1(131.94,43.34) v1(133.02,44.7) v1(133,41.98) v1(133.04,50.47) v1(133.04,48.94) v1(133.04,47.33) v1(133.06,43.35) v1(133.43,56.64)
